# Altium PCB relay_matrix.PcbDoc (part 4 of 5)
Units mm, origin at the board's own origin, x right, y up, seen from the top; angles counter-clockwise.
Board outline 330 x 220 mm, 2 copper layers (Top Layer, Bottom Layer); 560 components, 391 nets, 2127 pads, 727 vias.
Unrouted connection lines stored in the file: 345.
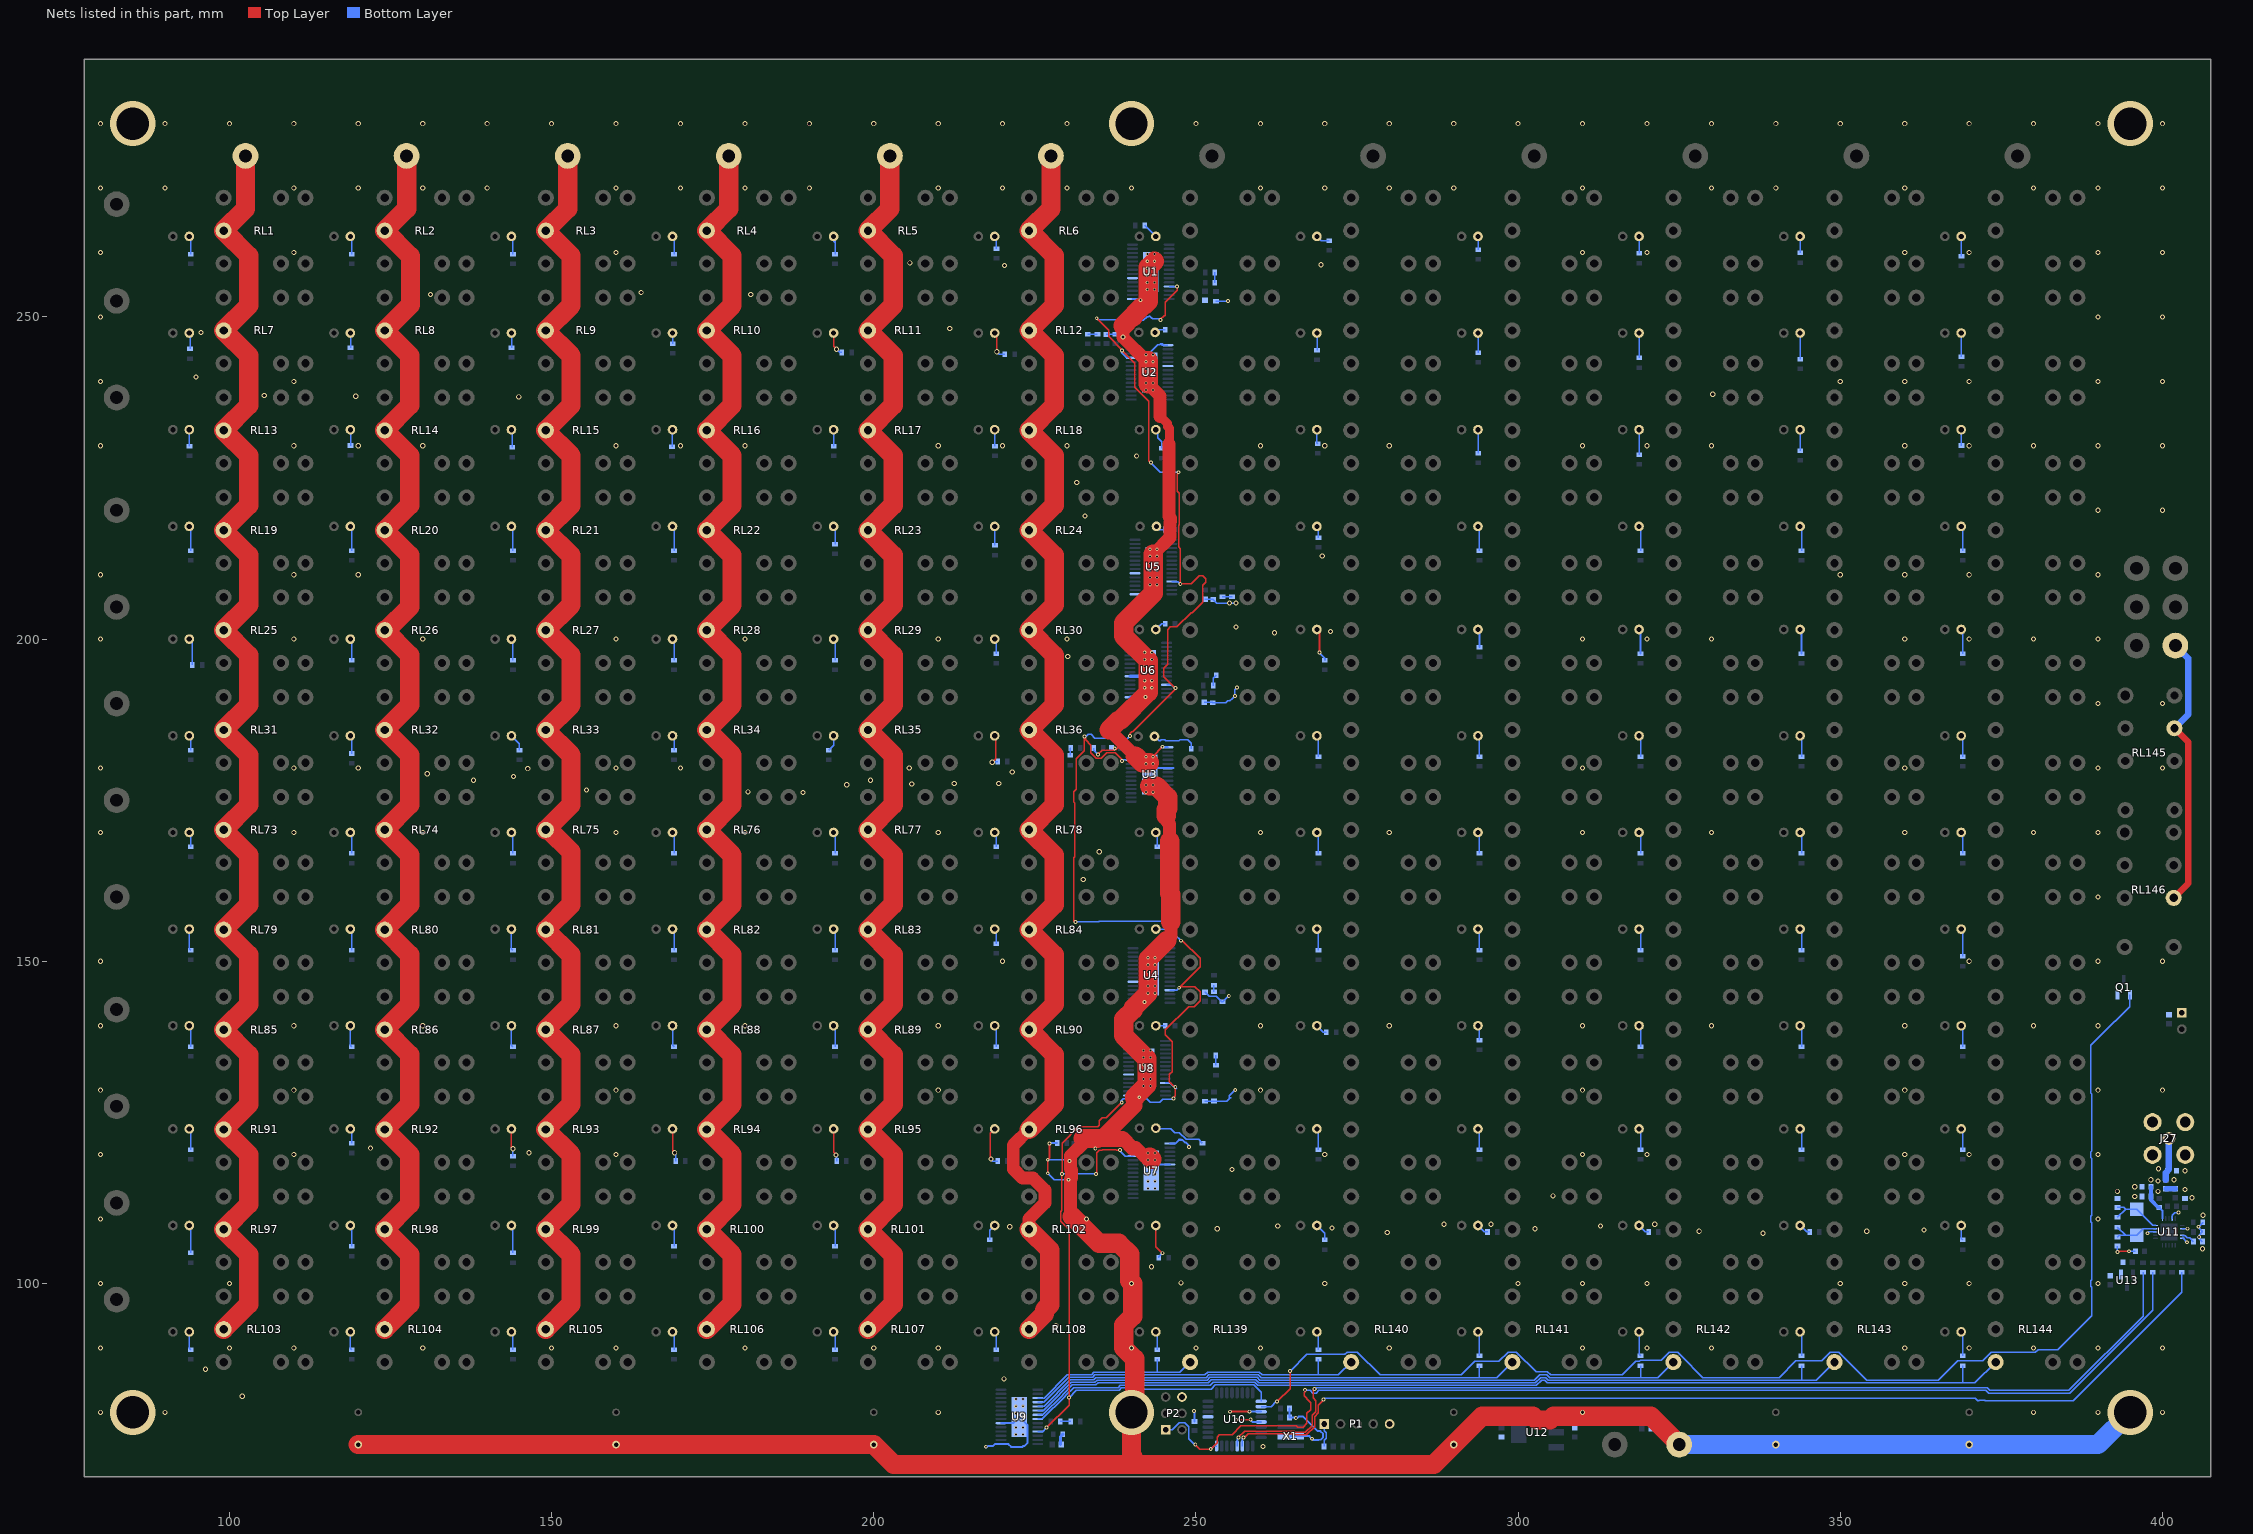
[diagram p4: the nets of this part, all layers, seen from the top]

## Via types
v1: diameter 0.8, hole 0.5, Top Layer to Bottom Layer, tented both sides, 222 vias
v2: diameter 0.8, hole 0.5, Top Layer to Bottom Layer, 209 vias
v3: diameter 0.6, hole 0.3, Top Layer to Bottom Layer, 179 vias
v4: diameter 0.5, hole 0.3, Top Layer to Bottom Layer, 108 vias
v5: diameter 7, hole 5, Top Layer to Bottom Layer, 6 vias
v6: diameter 1.5, hole 1, Top Layer to Bottom Layer, 3 vias

## Nets (pads, with @x,y where several pads share a name; then routed paths per layer and width w, separated by ;. In a path a pad name is that pad's centre, name@x,y a point inside that pad or via, vN(x,y) a via of type N, cw(c..) or ccw(c..) an arc to the next point about the centre after c; other vN are vias at no path point) (continued)
CONTROL_138: R139.1 RL139.3 U9.17 | length 28
  Bottom Layer w0.2: U9.17@225.45,82.225 226.425,82.225 230.05,85.85 233.808,85.85 234.158,86.2 242.366,86.2 243.9,86.2 244,86.3 ; R139.1@244,88.25 244,86.3 ; RL139.3@249.1,87.8 247.5,86.2 244.1,86.2 244,86.3
CONTROL_139: R140.1 RL140.3 U9.18 | length 54.1
  Bottom Layer w0.2: U9.18@225.45,81.575 226.375,81.575 230.25,85.45 233.973,85.45 234.323,85.8 242.531,85.8 251.397,85.8 251.847,86.25 259.817,86.25 260.267,85.8 269,85.8 ; R140.1@269,88.25 269,85.8 ; RL140.3@274.1,87.8 272.1,85.8 269,85.8
CONTROL_140: R141.1 RL141.3 U9.19 | length 78.7
  Bottom Layer w0.2: U9.19@225.45,80.925 226.425,80.925 228.5,83 228.5,83.046 230.504,85.05 234.139,85.05 234.489,85.4 242.697,85.4 251.562,85.4 252.012,85.85 259.651,85.85 260.101,85.4 294,85.4 ; R141.1@294,87.25 294,85.4 ; RL141.3@299.1,87.8 296.7,85.4 294,85.4
CONTROL_141: R142.1 RL142.3 U9.20 | length 104.3
  Bottom Layer w0.2: U9.20@225.45,80.275 226.341,80.275 228.9,82.834 228.9,82.88 230.67,84.65 234.305,84.65 234.655,85 242.863,85 251.728,85 252.178,85.45 259.485,85.45 259.935,85 302.52,85 303.32,85.8 304.48,85.8 304.88,85.4 319,85.4 ; R142.1@319,87.25 319,85.4 ; RL142.3@324.1,87.8 321.7,85.4 319.537,85.4 319,85.4
CONTROL_142: R143.1 RL143.3 U9.21 | length 130
  Bottom Layer w0.2: U9.21@225.45,79.625 226.256,79.625 229.3,82.669 229.3,82.714 230.836,84.25 234.47,84.25 234.82,84.6 243.028,84.6 251.894,84.6 252.344,85.05 259.32,85.05 259.77,84.6 302.686,84.6 303.486,85.4 304.314,85.4 304.714,85 344,85 ; R143.1@344,87.25 344,85 ; RL143.3@349.1,87.8 346.3,85 344.503,85 344,85
CONTROL_143: R144.1 RL144.3 U9.22 | length 155.7
  Bottom Layer w0.2: U9.22@225.45,78.975 226.172,78.975 229.7,82.503 229.7,82.549 231.001,83.85 237.91,83.85 238.26,84.2 243.194,84.2 252.225,84.2 252.675,84.65 259.154,84.65 259.604,84.2 302.851,84.2 303.651,85 304.149,85 304.549,84.6 369,84.6 ; R144.1@369,87.25 369,84.6 ; RL144.3@374.1,87.8 370.9,84.6 369.669,84.6 369,84.6
CSN: R165.2 U10.11 | length 161.7
  Top Layer w0.2: v3(257.4,76.1) 257.551,76.1 258.151,76.7 265.089,76.7 265.304,76.484 267.127,76.484 268.416,77.773 268.416,79.353 269,79.937 269,81.134 269.8,81.934 v3(269.8,82)
  Bottom Layer w0.2: U10.11@257.2,74.775 257.2,75.9 v3(257.4,76.1) ; v3(269.8,82) 270,82.2 370.911,82.2 371.311,81.8 371.485,81.8 371.585,81.9 372.413,81.9 372.513,81.8 386.128,81.8 403,98.672 R165.2@403,101.75
GND: C1.1 C2.1 C3.1 C4.1 C5.2 C6.1 C7.1 C8.1 C10.2 C11.1 C12.2 C13.2 C14.2 C15.2 C16.2 C17.2 C18.2 C19.1 C20.1 C21.2 C23.2 C24.2 C25.2 C26.2 C27.2 C28.2 C29.2 C30.2 C31.2 C32.2 C33.2 C35.2 J26.1 J27.2 J27.3 J27.4 J27.5 P1.5 P2.6 P3.1 Q1.2 R145.1 R146.1 R147.1 R148.1 R149.1 R150.1 R151.1 R152.1 R163.2 U1.1 U1.6 U1.29 U2.1 U2.6 U2.29 U3.1 U3.6 U3.29 U4.1 U4.6 U4.29 U5.1 U5.6 U5.29 U6.1 U6.6 U6.29 U7.1 U7.6 U7.29 U8.1 U8.6 U8.29 U9.1 U9.6 U9.29 U10.3 U10.5 U10.21 U11.8 U11.14 U11.17 U11.20 U12.1 U13.1 X1.2 | length 648.4
  Top Layer w0.2: v3(234.8,182.1) 235.45,182.75 v3@237.4,182.75 ; v3@237.547,182.852 238.58,183.885 ; v3(393,104.9) 393.1,105 v3(394.8,105)
  Top Layer w0.3: v3(227,117.1) v3(227,119.2) 227.3,119.5 v3(227.3,121.7) ; v4(243.35,181.75) 243.35,181.85 v3(244.8,183.3) ; v3(255.3,80.1) 255.3,80.2 255.4,80.1 256.481,80.1 256.531,80.15 258.249,80.15 v3(258.299,80.1) ; v3(256.2,78.8) 256.3,78.8 256.4,78.9 256.481,78.9 256.531,78.85 258.45,78.85 v3(258.499,78.9)
  Top Layer w1.4: 244.451,234.577 245.6,233.428 245.6,233.002 245.9,232.702 245.9,230.902 245.8,230.803 245.8,230.3
  Top Layer w2: 230.8,110.4 230.55,110.65 230.55,116.229 230.7,116.379 230.7,117.621 230.55,117.771 230.55,119.815 232.5,121.765 232.5,122.5 ; 234.689,122.5 234.989,122.2 238.821,122.2 240.121,120.9 240.865,120.9 ; 236.5,185.9 236.565,185.9 238.58,183.885 240.6,181.866 ; 238.495,122.7 238.641,122.7 240.241,121.1 240.665,121.1 240.865,120.9 ; 238.68,248.615 238.68,246.8 242.28,243.2 242.6,243.2 ; v2(238.7,246.9) v2@238.74,246.86 ; 242.033,119.733 240.865,120.9 ; 242.6,239.601 244.451,237.751 244.451,234.577 ; 243.4,213.2 246,215.8 246,218.184 246.067,218.251 246.067,218.767 245.8,219.035 245.8,230.3 ; 245.4,172.6 245.5,172.5 245.5,171.7 245.917,171.283 245.917,168.683 ; 245.467,153.233 246.1,153.865 246.1,156.1
  Top Layer w2.5: 234.889,122.7 234.939,122.75 235.596,122.75 240.486,127.64 240.486,128.814
  Top Layer w3: C10.2@120,75 C12.2@160,75 C13.2@200,75 203.1,71.9 286.9,71.9 C28.2@290,75 294.4,79.4 302.306,79.4 302.906,78.8 304.894,78.8 305.494,79.4 320.6,79.4 J26.1@325,75 ; 230.8,110.4 234.95,106.25 238.022,106.25 239.75,104.522 239.75,100.439 240.2,99.989 240.2,94.935 238.78,93.515 238.78,90.02 240.5,88.3 240.5,80.5 v5(240,80) 240,73.3 240.2,73.1 ; 232.5,122.5 232.589,122.5 234.611,122.5 234.689,122.5 ; 236.5,185.9 237.966,187.366 238.2,187.366 242.6,191.766 242.6,196.665 238.78,200.485 238.78,202.515 243.4,207.135 243.4,213.2 ; 238.68,248.615 240.115,250.05 240.25,250.05 240.4,250.2 240.4,250.37 241.63,251.6 ; 240.486,128.814 240.486,128.914 242.4,130.829 242.4,134.854 238.78,138.474 238.78,141.015 240.26,142.495 240.26,142.76 v4(242.55,145.05) v4(242.55,146.15) v4(242.55,147.25) v4(242.55,148.35) v4(242.55,149.45) 242.55,150.315 245.467,153.233 ; 240.6,181.866 241.665,180.8 242.8,180.8 ; 242.1,251.9 242.6,252.4 ; 242.6,239.601 242.6,243.2 ; 242.6,252.599 242.6,257.7 v4(243.55,258.65) ; 242.8,177.2 243.87,177.2 245.6,175.47 245.6,173.73 245.4,173.53 245.4,172.6 ; 242.832,119.6 243.132,119.3 ; 245.917,168.683 245.917,160.517 246.1,160.335 246.1,156.1
  Bottom Layer w0.2: R149.1@234.15,183.1 234.15,182.75 v3(234.8,182.1) ; v3(234.381,120.919) 234.4,120.9 234.5,121 234.5,122.274 234.676,122.45 235.624,122.45 236.374,121.7 C8.1@236.5,121.7 C8.1@236.626,121.7 ; C2.1@236.1,247.3 238.4,247.3 v2@238.7,247 ; U2.29@242.8,241.4 242.8,244.448 244.052,245.7 244.386,245.7 244.543,245.857 244.791,245.857 245.023,245.625 U2.1@245.65,245.625 ; C4.1@251.3,190.2 252.55,190.2 R148.1@252.6,190.15 254.65,190.15 254.9,190.4 255.25,190.4 255.621,190.771 255.65,190.771 v3(256.05,191.171) 256.05,192.15 v3(256.4,192.5) ; R151.1@251.4,128.25 252.75,128.25 C7.1@252.8,128.3 254.8,128.3 255.2,128.7 ; C6.1@251.4,145.2 251.45,145.2 252.05,144.6 253.174,144.6 254.024,143.75 R150.1@254.1,143.75 254.15,143.75 255,144.6 v3(255.1,144.6) ; C3.1@251.4,206.2 252.65,206.2 R147.1@252.7,206.15 253.25,205.6 v2(255.2,205.6) v2(256.199,205.6) ; R145.1@253.1,252.45 254.95,252.45 v3(255,252.5) ; 255.499,128.8 255.3,128.8 255.2,128.7 ; v3(256.099,130) 255.9,130 255.9,129.8 255.2,129.1 255.2,128.7 ; v3(393,104.9) C30.2@393,105.8 ; v3(394.8,105) C25.2@395.8,105 ; v3(397.7,107.8) 397.9,108 U11.8@398.925,108 ; U11.14@401.5,110.075 401.5,110.6 401.9,111 v3(402.5,111) ; U11.20@403.075,107 403.2,107 v3(403.8,106.4) ; U11.17@403.075,108.5 403.8,108.5 v3(403.899,108.5) ; v3@405.5,108.8 406.2,108.1 C19.1@406.2,108 405.7,107.5 v3(405.7,107.2) 405.5,107.2 C20.1@406.2,106.5 ; v3(405.6,108.8) 406.25,109.45 R163.2@406.25,109.5
  Bottom Layer w0.3: v3(217.39,74.659) 217.359,74.659 217.3,74.6 217.388,74.6 217.479,74.509 217.72,74.75 218.469,74.75 218.794,75.075 U9.1@219.75,75.075 220.899,75.075 221.324,74.65 223.078,74.65 223.178,74.75 223.369,74.75 223.85,75.231 223.85,78.05 v4(223.15,78.75) U9.29@222.6,79.3 221.625,78.325 U9.6@219.75,78.325 ; v3(227,117.1) 228,116.1 v3(230.2,116.1) ; v3(227,119.2) 230.1,119.2 230.4,118.9 v3(230.4,119) ; v3(227.3,121.7) 227.2,121.7 227.3,121.8 R152.1@228.45,121.8 ; U1.1@240.15,252.775 241.125,252.775 241.301,252.599 v3(241.4,252.599) ; U4.1@240.25,143.575 241.875,143.575 v3(242,143.7) ; U7.29@243.1,117.5 244.075,118.475 U7.6@245.95,118.475 ; v4(243.35,179.55) 243.775,179.975 U3.6@245.65,179.975 246.504,179.975 ; 244.7,245.7 244.775,245.625 U2.1@245.023,245.625 ; v3(244.8,183.3) 244.75,183.25 245.625,183.25 U3.1@245.65,183.225 ; U7.1@245.95,121.725 246.806,121.725 246.95,121.869 247.33,122.25 247.356,122.275 ; 247.7,122.35 247.431,122.35 247.356,122.275 ; v3(248.9,121.2) 249,121.3 248.4,121.9 248.272,121.9 247.897,122.275 247.356,122.275 ; v3(249.7,80.2) 249.8,80.1 C18.2@249.8,78.6 ; v3(258.299,80.1) 258.299,80.001 258.2,80.1 U10.3@260.125,80.1 ; v3(258.499,78.9) 258.499,78.801 258.8,78.5 U10.5@260.125,78.5 ; C16.2@264.5,80.6 C17.2@264.5,79.2 265.6,79.2 v3(265.499,79.1) 265.712,79.1 265.946,79.334 266.651,79.334 268.886,77.1 269.319,77.1 269.749,76.669 269.749,76.131 269.369,75.75 269.05,75.75 269,75.7 268.199,75.7 v3(267.999,75.9) 267.6,76.3 X1.2@264.7,76.3
  Bottom Layer w0.4: U8.1@239.55,129.175 239.625,129.1 240.9,129.1 241.1,128.9 v3(241.2,128.9)
  Bottom Layer w0.5: U6.1@239.75,190.975 242.175,190.975 v3(242.2,191) ; U6.6@239.75,194.225 239.775,194.25 241.65,194.25 U6.29@242.6,195.2
  Bottom Layer w3: J26.1@325,75 C14.2@340,75 C15.2@370,75 390,75 v5(395,80)
  other v1: 80,80 90,80 210,80 310,80 380,80 390,80 400,80 80,90 100,90 110,90 130,90 150,90 160,90 180,90 200,90 210,90 240,90 250,90 260,90 280,90 310,90 320,90 330,90 360,90 370,90 380,90 390,90 400,90 80,100 100,100 240,100 270,100 300,100 310,100 320,100 350,100 360,100 370,100 390,100 80,110 390,110 80,120 110,120 160,120 270,120 310,120 320,120 360,120 370,120 390,120 80,130 110,130 160,130 210,130 260,130 310,130 360,130 390,130 400,130 80,140 110,140 130,140 160,140 180,140 210,140 260,140 280,140 310,140 330,140 360,140 380,140 390,140 80,150 220,150 370,150 390,150 400,150 390,160 80,170 110,170 130,170 160,170 180,170 210,170 260,170 280,170 310,170 330,170 360,170 380,170 390,170 80,180 110,180 120,180 160,180 170,180 310,180 360,180 390,180 400,180 390,190 400,190 80,200 110,200 130,200 160,200 180,200 210,200 230,200 310,200 320,200 330,200 360,200 370,200 380,200 390,200 80,210 110,210 120,210 350,210 360,210 370,210 390,210 390,220 400,220 80,230 110,230 120,230 130,230 160,230 170,230 180,230 210,230 220,230 230,230 260,230 270,230 280,230 310,230 320,230 330,230 360,230 370,230 380,230 390,230 400,230 80,240 110,240 350,240 360,240 370,240 390,240 400,240 80,250 390,250 400,250 80,260 110,260 160,260 310,260 320,260 360,260 370,260 390,260 400,260 80,270 90,270 110,270 120,270 130,270 140,270 160,270 170,270 180,270 190,270 210,270 220,270 230,270 240,270 260,270 270,270 280,270 290,270 310,270 330,270 340,270 360,270 380,270 390,270 400,270 80,280 90,280 100,280 110,280 120,280 130,280 140,280 150,280 160,280 170,280 180,280 190,280 200,280 210,280 220,280 230,280 250,280 260,280 270,280 280,280 290,280 300,280 310,280 320,280 330,280 340,280 350,280 360,280 370,280 380,280 390,280 400,280
  other v2: 260.4,74.7 102,82.5 220.2,85.2 96.3,86.7 228.3,93.5 247.7,100.1 243.1,102.6 406.2,105.4 338,107.8 279.7,107.9 328.1,108.1 354.1,108.1 363,108.3 253.3,108.5 302.6,108.5 271.1,108.6 221.1,108.8 262.7,108.9 312.8,108.9 288.5,109.2 295.8,109.2 321.2,109.2 233,110 406.3,110.6 404.6,113.3 395.7,113.5 305.4,113.6 393,114.3 399.3,114.3 403.5,114.6 395.7,115 399.3,115.9 398.2,116.1 401.8,116.1 403.5,117.5 255.6,117.7 399.4,117.8 146.5,120.3 121.9,121 232.5,162.7 235,167 189,176.2 180.5,176.3 155.4,176.6 195.8,177.4 205.9,177.5 212.5,177.6 219.4,177.6 137.9,178.1 199.5,178.1 144.1,178.7 130.7,179.1 221.5,179.4 146.3,179.9 205.5,180 230.1,197.3 262.2,201 270.9,201.2 256.2,201.9 269.6,212.9 232.8,219.1 231.5,224.3 240.8,228.4 144.9,237.6 119.6,237.7 105.4,237.8 330.2,238 94.8,240.7 95.6,247.6 203.7,248.1 211.8,248.2 131.2,253.5 180.9,253.5 163.9,253.8 220.3,258 269.4,258.1 205.6,258.4
  other v3: 237.4,183
  other v4: 222.05,76.55 223.15,76.55 222.05,77.65 223.15,77.65 222.05,78.75 222.05,79.85 223.15,79.85 222.05,80.95 223.15,80.95 222.05,82.05 223.15,82.05 242.55,114.75 243.65,114.75 242.55,115.85 243.65,115.85 242.55,116.95 243.65,116.95 242.55,118.05 243.65,118.05 242.55,119.15 243.65,119.15 242.55,120.25 243.65,120.25 241.85,130.65 242.95,130.65 241.85,131.75 242.95,131.75 241.85,132.85 242.95,132.85 241.85,133.95 242.95,133.95 241.85,135.05 242.95,135.05 241.85,136.15 242.95,136.15 243.65,145.05 243.65,146.15 243.65,147.25 243.65,148.35 243.65,149.45 242.55,150.55 243.65,150.55 242.25,176.25 243.35,176.25 242.25,177.35 243.35,177.35 242.25,178.45 243.35,178.45 242.25,179.55 242.25,180.65 243.35,180.65 242.25,181.75 242.05,192.45 243.15,192.45 242.05,193.55 243.15,193.55 242.05,194.65 243.15,194.65 242.05,195.75 243.15,195.75 242.05,196.85 243.15,196.85 242.05,197.95 243.15,197.95 242.85,208.45 243.95,208.45 242.85,209.55 243.95,209.55 242.85,210.65 243.95,210.65 242.85,211.75 243.95,211.75 242.85,212.85 243.95,212.85 242.85,213.95 243.95,213.95 242.25,238.65 243.35,238.65 242.25,239.75 243.35,239.75 242.25,240.85 243.35,240.85 242.25,241.95 243.35,241.95 242.25,243.05 243.35,243.05 242.25,244.15 243.35,244.15 242.45,254.25 243.55,254.25 242.45,255.35 243.55,255.35 242.45,256.45 243.55,256.45 242.45,257.55 243.55,257.55 242.45,258.65 242.45,259.75 243.55,259.75
  other v5: 85,80 85,280 240,280 395,280
GSCLK: U1.25 U2.25 U3.25 U4.25 U5.25 U6.25 U7.25 U8.25 U9.25 U10.1 | length 328.3
  Top Layer w0.2: v3(226.8,77.624) 226.8,77.6 230.3,81.1 v3(230.3,82.3) 230.3,108.354 229,109.654 229,111.146 229.2,111.346 v3(229.2,117) 229.1,117.1 229.1,117.184 229.25,117.334 229.25,121.796 231.754,124.3 234.048,124.3 234.766,124.3 235,124.534 235,125.252 235.477,125.729 236.1,125.729 v3(238.486,128.114) ; v3(231.3,156.1) 231.2,156.1 231,156.3 231,159.6 231.05,159.65 231.05,166.108 231.171,166.229 231.171,174.571 231.05,174.692 231.05,176.308 231.45,176.708 231.45,181.442 232.7,182.692 v3(232.7,184.9) ; v3@232.9,184.7 232.9,184.351 233.7,183.551 233.7,182.351 234.551,181.5 235.308,181.5 236.158,182.35 237.45,182.35 238.55,181.25 v3(238.55,181.087) ; v3@234.6,117 234.6,120.29 235.01,120.7 235.434,120.7 235.484,120.75 237.608,120.75 237.658,120.7 v3(238.2,120.7) ; v3(234.6,249.8) 236.48,247.92 236.48,246.968 238.5,244.948 v3(238.5,244.8) 240.5,242.799 240.5,239.1 241.8,237.8 241.856,237.8 242.7,236.956 242.7,227.7 v3(243,227.4) ; 239.705,185.305 240,185.6 240.193,185.6 246.8,192.207 v3(246.8,192.4) 245,194.2 245,195.5 245.6,196.1 245.6,201.49 246.01,201.9 247.054,201.9 249.254,204.1 249.458,204.1 251.05,205.692 251.05,208.36 251.499,208.81 251.499,209.39 251.089,209.8 250.51,209.8 249.29,208.58 v3(247.574,208.58) 247.55,208.605 247.55,214.05 247.3,214.3 247.3,217.646 247.377,217.723 247.377,222.674 247.1,222.951 247.1,225.6 247.4,225.9 v3(247.3,225.9) ; v3@244.489,249.638 245.051,250.2 245.19,250.2 245.2,250.21 245.2,252.302 247.076,254.178 v3(247.076,254.723) ; v3(246.5,128.7) 246.5,128.8 246.8,129.1 v3(246.8,130.5) ; v3@246.551,130.604 245.859,131.297 245.859,132.452 246.3,132.894 246.3,137.544 245.257,138.587 245.257,139.349 248.859,142.95 249.742,142.95 250.65,143.858 250.65,145.25 249.85,146.05 247.55,146.05 v3(247.4,145.9) 247.4,145.908 250.65,149.158 250.65,150.442 247.892,153.2 v3(247.7,153.2)
  Bottom Layer w0.2: U9.25@225.45,77.025 226.201,77.025 v3(226.8,77.624) ; v3(229.2,117) v3(234.5,117) ; v3(230.3,82.3) 231.45,83.45 238.076,83.45 238.426,83.8 241.574,83.8 241.774,83.6 252.362,83.6 253.012,84.25 258.988,84.25 260.125,83.113 U10.1@260.125,81.7 ; v3(231.3,156.1) 234.9,156.1 234.981,156.181 ; v3(232.7,184.9) 232.951,184.9 233.251,185.2 233.748,185.2 234.298,184.65 237.756,184.65 237.906,184.5 239.28,184.5 v3(239.74,184.96) ; v3(234.6,249.8) 234.8,249.6 238.737,249.6 238.937,249.4 240.314,249.4 240.364,249.45 241.849,249.45 242.449,250.05 242.64,250.05 242.79,250.2 243,249.99 243.179,249.811 243.224,249.811 243.317,249.719 243.883,249.719 243.901,249.7 244.29,249.7 244.49,249.5 v3(244.5,249.5) ; 234.981,156.2 245.774,156.2 246.75,155.224 246.75,154.15 v3(247.7,153.2) ; v3(238.2,120.7) 238.2,120.6 239.025,119.775 U7.25@240.25,119.775 ; v3@238.4,244.523 239.248,243.675 U2.25@239.95,243.675 ; v3(238.486,128.114) 238.3,128.3 238.7,128.7 239.318,128.7 239.718,128.3 241.449,128.3 241.849,128.7 242.351,128.7 242.901,128.15 244.398,128.15 244.848,128.6 246.4,128.6 v3(246.5,128.7) ; v3@238.625,181.275 U3.25@239.95,181.275 ; v3(243,227.4) 244.5,225.9 v3(247.3,225.9) ; U8.25@245.25,131.125 246.03,131.125 246.2,130.955 246.2,130.9 246.5,130.6 v3@246.6,130.6 ; U6.25@245.45,192.925 246.175,192.925 246.7,192.4 v3(246.8,192.4) ; U1.25@245.85,254.725 247.074,254.725 v3(247.076,254.723) ; U4.25@245.95,145.525 247.025,145.525 v3(247.4,145.9) ; U5.25@246.25,208.925 247.175,208.925 247.52,208.58 v3(247.574,208.58) ; v3@246.75,130.45 v3@246.8,130.4 ; v3@246.8,130.3 v3@246.8,130.4 ; 246.988,130.212 v3@246.8,130.4
"HEADPHONE DST": J28.1 RL145.5 RL146.3 | length 42.7
  Top Layer w1: RL146.3@401.75,159.84 404,162.09 404,184.032 RL145.5@401.863,186.169
  Bottom Layer w1: RL145.5@401.863,186.169 404,188.306 404,197 J28.1@402,199
IRQ: R169.2 U10.12 | length 160.6
  Top Layer w0.2: v3(256.599,76.1) 256.599,76.148 257.551,77.1 265.255,77.1 265.47,76.884 266.961,76.884 268.016,77.939 268.016,79.519 268.6,80.103 268.6,81.828 268.2,82.228 268.2,83.6 v3(268.4,83.6)
  Bottom Layer w0.2: U10.12@256.4,74.775 256.4,75.8 256.7,76.1 v3(256.599,76.1) ; v3(268.4,83.6) 268.56,83.6 268.76,83.8 372.776,83.8 373.176,83.4 385.466,83.4 397,94.934 R169.2@397,101.75
MISO: P2.1 R168.2 U10.16 | length 178.3
  Top Layer w0.2: v3(249.9,75) 250.6,74.3 v3(252.3,74.3) 253.3,75.3 253.3,75.676 253.3,76.173 253.651,76.524 255.61,76.524 256.985,77.9 259.7,77.9 ; 259.7,77.9 265.586,77.9 265.801,77.684 266.63,77.684 267.216,78.27 267.216,79.85 267.8,80.434 267.8,81.497 267.2,82.097 267.2,82.151 266.799,82.551 266.799,83.048 267.076,83.324 v3(266.9,83.5)
  Bottom Layer w0.2: P2.1@245.3,77.3 246.355,77.3 247.405,78.35 248.275,78.35 248.89,77.735 248.89,76.865 248.89,75.91 ; 249.2,75.6 248.89,75.91 ; v3(249.9,75) 249.8,75 248.89,75.91 ; v3(252.3,74.3) 252.775,74.775 U10.16@253.2,74.775 ; v3@266.9,83.4 267.751,83.4 268.151,83 268.649,83 269.049,83.4 372.61,83.4 373.01,83 385.631,83 398.5,95.869 R168.2@398.5,101.75
MODE: Q1.3 U10.2 | length 201.8
  Top Layer w0.2: v3(262.6,81.7) 264.6,83.7 v3(264.6,86.4)
  Bottom Layer w0.2: U10.2@260.125,80.9 261.7,80.9 262.5,81.7 v3(262.6,81.7) ; v3(264.6,86.4) 267.2,89 273.108,89 273.458,89.35 275.05,89.35 278.6,85.8 291.15,85.8 293.25,87.9 297.008,87.9 298.458,89.35 299.742,89.35 302.792,86.3 304.546,86.3 305.046,85.8 316.15,85.8 318.25,87.9 318.8,87.9 319,88.1 322.208,88.1 323.458,89.35 324.742,89.35 325.292,88.8 328.692,85.4 340.5,85.4 343.1,88 347.108,88 348.458,89.35 349.742,89.35 354.092,85 365.2,85 368.2,88 372.108,88 373.458,89.35 379.66,89.35 379.71,89.3 380.29,89.3 380.74,89.75 383.75,89.75 389,95 389,99.444 388.9,99.544 388.9,100.456 389,100.556 389,109.444 388.9,109.544 388.9,110.456 389,110.556 389,119.444 388.9,119.544 388.9,120.456 389,120.556 389,129.444 388.9,129.544 388.9,136.966 392.634,140.7 392.7,140.7 394.95,142.95 Q1.3@394.95,144.825
NetC9_1: C9.1 R153.1 | length 1.7
  Bottom Layer w0.5: C9.1@229,75 229,76.25 R153.1@229.35,76.6
NetC20_2: C20.2 U11.19 | length 2.1
  Bottom Layer w0.2: U11.19@403.075,107.5 403.175,107.4 403.516,107.4 403.816,107.1 404.2,107.1 C20.2@404.8,106.5
NetC22_1: C22.1 L1.1 | length 1.4
  Bottom Layer w0.8: C22.1@400.6,114.7 L1.1@402,114.7
NetC22_2: C22.2 C23.1 J27.1 | length 6.6
  Bottom Layer w1: C22.2@400.5,116.1 400.5,117.2 C23.1@400.8,117.5 401,117.7 J27.1@401,122.5
NetC26_1: C26.1 C27.1 L3.1 U11.11 | length 5.8
  Bottom Layer w0.3: L3.1@399.5,111.8 400,111.3 U11.11@400,110.075
  Bottom Layer w0.6: C26.1@398.2,115 C27.1@398.2,113.5 398.2,112.943 399.343,111.8 L3.1@399.5,111.8
NetC30_1: C30.1 R170.1 U11.9 X2.1 | length 8.3
  Bottom Layer w0.2: C30.1@393,107.2 393.275,107.475 394.275,107.475 ; R170.1@393,108.75 394.275,107.475 ; U11.9@398.925,108.5 397.025,108.5 X2.1@396,107.475 394.275,107.475
NetC31_1: C31.1 R170.2 U11.10 X2.2 | length 8.9
  Bottom Layer w0.2: R170.2@393,110.25 394.275,111.525 ; C31.1@393,111.8 394,111.8 394.275,111.525 ; U11.10@398.925,109 398.525,109 X2.2@396,111.525 394.275,111.525
NetC34_2: C34.2 P1.1 | length 3.7
  Bottom Layer w0.2: C34.2@269.9,74.7 269.9,75.645 270.199,75.944 270.199,76.855 269.9,77.155 P1.1@269.9,78.2
NetD1_2: D1.2 R1.2 | length 2.8
  Bottom Layer w0.2: D1.2@93.77,262.5 94,262.27 R1.2@94,259.75
NetD2_2: D2.2 R2.2 | length 2.8
  Bottom Layer w0.2: D2.2@118.77,262.5 119,262.27 R2.2@119,259.75
NetD3_2: D3.2 R3.2 | length 2.8
  Bottom Layer w0.2: D3.2@143.77,262.5 144,262.27 R3.2@144,259.75
NetD4_2: D4.2 R4.2 | length 2.8
  Bottom Layer w0.2: D4.2@168.77,262.5 169,262.27 R4.2@169,259.75
NetD5_2: D5.2 R5.2 | length 3.9
  Bottom Layer w0.2: R5.2@194,259.75 194,261.5 ; 194,261.5 194,262.27 D5.2@193.77,262.5 193.77,261.73 194,261.5
NetD6_2: D6.2 R6.2 | length 2
  Bottom Layer w0.2: D6.2@218.77,262.5 219.046,262.224 R6.2@219.046,260.6
NetD7_2: D7.2 R7.2 | length 2.5
  Bottom Layer w0.2: D7.2@93.77,247.5 93.9,247.37 R7.2@93.9,245.05
NetD8_2: D8.2 R8.2 | length 2.3
  Bottom Layer w0.2: D8.2@118.77,247.5 118.8,247.47 R8.2@118.8,245.25
NetD9_2: D9.2 R9.2 | length 2.3
  Bottom Layer w0.2: D9.2@143.77,247.5 143.8,247.47 R9.2@143.8,245.25
NetD10_2: D10.2 R10.2 | length 1.7
  Bottom Layer w0.2: D10.2@168.77,247.5 168.8,247.47 R10.2@168.8,245.85
NetD11_2: D11.2 R11.2 | length 3.7
  Top Layer w0.2: D11.2@193.77,247.5 193.77,245.43 v2(194.2,245)
  Bottom Layer w0.2: v2(194.2,245) 194.7,244.5 R11.2@195.05,244.5
NetD12_2: D12.2 R12.2 | length 4.5
  Top Layer w0.2: D12.2@218.77,247.5 219.1,247.17 v2(219.1,244.6)
  Bottom Layer w0.2: v2(219.1,244.6) 219.5,244.2 R12.2@220.35,244.2
NetD13_2: D13.2 R13.2 | length 2.6
  Bottom Layer w0.2: D13.2@93.77,232.5 93.8,232.47 R13.2@93.8,229.95
NetD14_2: D14.2 R14.2 | length 2.5
  Bottom Layer w0.2: D14.2@118.77,232.5 118.8,232.47 R14.2@118.8,230.05
NetD15_2: D15.2 R15.2 | length 2.8
  Bottom Layer w0.2: D15.2@143.77,232.5 143.9,232.37 R15.2@143.9,229.75
NetD16_2: D16.2 R16.2 | length 2.7
  Bottom Layer w0.2: R16.2@168.7,229.85 168.7,232.43 D16.2@168.77,232.5
NetD17_2: D17.2 R17.2 | length 2.6
  Bottom Layer w0.2: D17.2@193.77,232.5 193.8,232.47 R17.2@193.8,229.95
NetD18_2: D18.2 R18.2 | length 2.6
  Bottom Layer w0.2: D18.2@218.77,232.5 218.8,232.47 R18.2@218.8,229.95
NetD19_2: D19.2 R19.2 | length 3.8
  Bottom Layer w0.2: D19.2@93.77,217.5 94,217.27 R19.2@94,213.75
NetD20_2: D20.2 R20.2 | length 3.8
  Bottom Layer w0.2: D20.2@118.77,217.5 119,217.27 R20.2@119,213.75
NetD21_2: D21.2 R21.2 | length 3.8
  Bottom Layer w0.2: D21.2@143.77,217.5 144,217.27 R21.2@144,213.75
NetD22_2: D22.2 R22.2 | length 3.8
  Bottom Layer w0.2: D22.2@168.77,217.5 169,217.27 R22.2@169,213.75
NetD23_2: D23.2 R23.2 | length 2.8
  Bottom Layer w0.2: D23.2@193.77,217.5 194,217.27 R23.2@194,214.75
NetD24_2: D24.2 R24.2 | length 3
  Bottom Layer w0.2: D24.2@218.77,217.5 218.8,217.47 R24.2@218.8,214.55
NetD25_2: D25.2 R25.2 | length 4.2
  Bottom Layer w0.2: D25.2@93.77,200 94.25,199.52 R25.2@94.25,196
NetD26_2: D26.2 R26.2 | length 3.3
  Bottom Layer w0.2: D26.2@118.77,200 119,199.77 R26.2@119,196.75
NetD27_2: D27.2 R27.2 | length 3.3
  Bottom Layer w0.2: D27.2@143.77,200 144,199.77 R27.2@144,196.75
NetD28_2: D28.2 R28.2 | length 3.3
  Bottom Layer w0.2: D28.2@168.77,200 169,199.77 R28.2@169,196.75
NetD29_2: D29.2 R29.2 | length 3.3
  Bottom Layer w0.2: D29.2@193.77,200 194,199.77 R29.2@194,196.75
NetD30_2: D30.2 R30.2 | length 2.3
  Bottom Layer w0.2: D30.2@218.77,200 219,199.77 R30.2@219,197.75
NetD31_2: D31.2 R31.2 | length 2.3
  Bottom Layer w0.2: D31.2@93.77,185 94,184.77 R31.2@94,182.75
NetD32_2: D32.2 R32.2 | length 2.8
  Bottom Layer w0.2: D32.2@118.77,185 119,184.77 R32.2@119,182.25
NetD33_2: D33.2 R33.2 | length 2.8
  Bottom Layer w0.2: D33.2@143.77,185 145,183.77 R33.2@145,182.75
NetD34_2: D34.2 R34.2 | length 2.3
  Bottom Layer w0.2: D34.2@168.77,185 169,184.77 R34.2@169,182.75
NetD35_2: D35.2 R35.2 | length 2.6
  Bottom Layer w0.2: R35.2@193,182.75 193.77,183.52 D35.2@193.77,185
NetD36_2: D36.2 R36.2 | length 5.5
  Top Layer w0.2: v2(218.4,180.9) 218.9,181.4 218.9,184.87 D36.2@218.77,185
  Bottom Layer w0.2: v2(218.4,180.9) 218.3,180.9 218.4,181 R36.2@219.25,181
NetD37_2: D37.2 R37.2 | length 2.4
  Bottom Layer w0.2: R37.2@242.05,264.2 242.07,264.2 D37.2@243.77,262.5
NetD38_2: D38.2 R38.2 | length 2.2
  Bottom Layer w0.2: D38.2@268.77,262.5 269.42,261.85 R38.2@270.7,261.85
NetD39_2: D39.2 R39.2 | length 2.1
  Bottom Layer w0.2: D39.2@293.77,262.5 293.8,262.47 R39.2@293.8,260.45
NetD40_2: D40.2 R40.2 | length 2.7
  Bottom Layer w0.2: D40.2@318.77,262.5 318.8,262.47 R40.2@318.8,259.85
NetD41_2: D41.2 R41.2 | length 2.6
  Bottom Layer w0.2: D41.2@343.77,262.5 343.8,262.47 R41.2@343.8,259.95
NetD42_2: D42.2 R42.2 | length 3.1
  Bottom Layer w0.2: D42.2@368.77,262.5 368.8,262.47 R42.2@368.8,259.45
NetD43_2: D43.2 R43.2 | length 1.7
  Bottom Layer w0.2: D43.2@243.67,247.6 244.07,248 R43.2@245.25,248
NetD44_2: D44.2 R44.2 | length 2.7
  Bottom Layer w0.2: D44.2@268.77,247.5 268.8,247.47 R44.2@268.8,244.85
NetD45_2: D45.2 R45.2 | length 3.1
  Bottom Layer w0.2: D45.2@293.77,247.5 293.8,247.47 R45.2@293.8,244.45
NetD46_2: D46.2 R46.2 | length 3.9
  Bottom Layer w0.2: D46.2@318.77,247.5 318.8,247.47 R46.2@318.8,243.65
NetD47_2: D47.2 R47.2 | length 4.1
  Bottom Layer w0.2: D47.2@343.77,247.5 343.8,247.47 R47.2@343.8,243.45
NetD48_2: D48.2 R48.2 | length 3.7
  Bottom Layer w0.2: D48.2@368.77,247.5 368.8,247.47 R48.2@368.8,243.85
NetD49_2: D49.2 R49.2 | length 3.3
  Bottom Layer w0.2: D49.2@243.77,232.5 244.1,232.171 244.1,231.251 244.7,230.651 R49.2@244.7,229.6
NetD50_2: D50.2 R50.2 | length 2.2
  Bottom Layer w0.2: D50.2@268.77,232.5 268.77,230.48 R50.2@268.9,230.35
NetD51_2: D51.2 R51.2 | length 3.7
  Bottom Layer w0.2: D51.2@293.77,232.5 293.8,232.47 R51.2@293.8,228.85
NetD52_2: D52.2 R52.2 | length 3.9
  Bottom Layer w0.2: D52.2@318.77,232.5 318.8,232.47 R52.2@318.8,228.65
NetD53_2: D53.2 R53.2 | length 3.3
  Bottom Layer w0.2: D53.2@343.77,232.5 343.8,232.47 R53.2@343.8,229.25
NetD54_2: D54.2 R54.2 | length 2.5
  Bottom Layer w0.2: D54.2@368.77,232.5 368.8,232.47 R54.2@368.8,230.05
NetD55_2: D55.2 R55.2 | length 1.6
  Bottom Layer w0.2: D55.2@243.87,217.5 244.37,217 R55.2@245.25,217
NetD56_2: D56.2 R56.2 | length 1.8
  Bottom Layer w0.2: D56.2@268.77,217.5 269,217.27 R56.2@269,215.75
NetD57_2: D57.2 R57.2 | length 3.8
  Bottom Layer w0.2: D57.2@293.77,217.5 294,217.27 R57.2@294,213.75
NetD58_2: D58.2 R58.2 | length 3.8
  Bottom Layer w0.2: D58.2@318.77,217.5 319,217.27 R58.2@319,213.75
NetD59_2: D59.2 R59.2 | length 3.8
  Bottom Layer w0.2: D59.2@343.77,217.5 344,217.27 R59.2@344,213.75
NetD60_2: D60.2 R60.2 | length 3.8
  Bottom Layer w0.2: D60.2@368.77,217.5 369,217.27 R60.2@369,213.75
NetD61_2: D61.2 R61.2 | length 1.9
  Bottom Layer w0.2: D61.2@243.77,201.5 244.67,202.4 R61.2@245.25,202.4
NetD62_2: D62.2 R62.2 | length 5.3
  Top Layer w0.3: D62.2@268.77,201.5 269.2,201.07 v3(269.2,197.9)
  Bottom Layer w0.3: v3(269.2,197.9) 269.2,197.8 270,197 R62.2@270,196.75
NetD63_2: D63.2 R63.2 | length 2.8
  Bottom Layer w0.3: D63.2@293.77,201.5 294,201.27 R63.2@294,198.75
NetD64_2: D64.2 R64.2 | length 3.8
  Bottom Layer w0.3: D64.2@318.77,201.5 319,201.27 R64.2@319,197.75
NetD65_2: D65.2 R65.2 | length 3.8
  Bottom Layer w0.3: D65.2@343.77,201.5 344,201.27 R65.2@344,197.75
NetD66_2: D66.2 R66.2 | length 3.8
  Bottom Layer w0.2: D66.2@368.77,201.5 369,201.27 R66.2@369,197.75
NetD67_2: D67.2 R67.2 | length 7.3
  Bottom Layer w0.2: D67.2@243.57,184.9 244.27,184.2 244.451,184.2 244.651,184.4 245.149,184.4 245.349,184.2 246.551,184.2 246.71,184.2 247.351,184.2 247.551,184.4 248.408,184.4 248.458,184.35 248.741,184.35 249.25,183.841 R67.2@249.25,183
NetD68_2: D68.2 R68.2 | length 3.3
  Bottom Layer w0.2: D68.2@268.77,185 269,184.77 R68.2@269,181.75
NetD69_2: D69.2 R69.2 | length 3.3
  Bottom Layer w0.2: D69.2@293.77,185 294,184.77 R69.2@294,181.75
NetD70_2: D70.2 R70.2 | length 3.3
  Bottom Layer w0.2: D70.2@318.77,185 319,184.77 R70.2@319,181.75
NetD71_2: D71.2 R71.2 | length 3.3
  Bottom Layer w0.2: D71.2@343.77,185 344,184.77 R71.2@344,181.75
NetD72_2: D72.2 R72.2 | length 3.3
  Bottom Layer w0.2: D72.2@368.77,185 369,184.77 R72.2@369,181.75
NetD73_2: D73.2 R73.2 | length 2.3
  Bottom Layer w0.2: D73.2@93.77,170 94,169.77 R73.2@94,167.75
NetD74_2: D74.2 R74.2 | length 3.3
  Bottom Layer w0.2: D74.2@118.77,170 119,169.77 R74.2@119,166.75
NetD75_2: D75.2 R75.2 | length 3.3
  Bottom Layer w0.2: D75.2@143.77,170 144,169.77 R75.2@144,166.75
NetD76_2: D76.2 R76.2 | length 3.3
  Bottom Layer w0.2: D76.2@168.77,170 169,169.77 R76.2@169,166.75
NetD77_2: D77.2 R77.2 | length 3.3
  Bottom Layer w0.2: D77.2@193.77,170 194,169.77 R77.2@194,166.75
NetD78_2: D78.2 R78.2 | length 2.3
  Bottom Layer w0.2: D78.2@218.77,170 219,169.77 R78.2@219,167.75
NetD79_2: D79.2 R79.2 | length 3.3
  Bottom Layer w0.2: D79.2@93.77,155 93.77,151.98 R79.2@94,151.75
NetD80_2: D80.2 R80.2 | length 3.3
  Bottom Layer w0.2: D80.2@118.77,155 119,154.77 R80.2@119,151.75
NetD81_2: D81.2 R81.2 | length 3.3
  Bottom Layer w0.2: D81.2@143.77,155 143.77,151.98 R81.2@144,151.75
NetD82_2: D82.2 R82.2 | length 3.3
  Bottom Layer w0.2: D82.2@168.77,155 169,154.77 R82.2@169,151.75
NetD83_2: D83.2 R83.2 | length 3.3
  Bottom Layer w0.2: D83.2@193.77,155 194,154.77 R83.2@194,151.75
NetD84_2: D84.2 R84.2 | length 2.3
  Bottom Layer w0.2: D84.2@218.77,155 219,154.77 R84.2@219,152.75
NetD85_2: D85.2 R85.2 | length 3.3
  Bottom Layer w0.2: D85.2@93.77,140 94,139.77 R85.2@94,136.75
NetD86_2: D86.2 R86.2 | length 3.3
  Bottom Layer w0.2: D86.2@118.77,140 118.77,136.98 R86.2@119,136.75
NetD87_2: D87.2 R87.2 | length 3.3
  Bottom Layer w0.2: D87.2@143.77,140 143.77,136.98 R87.2@144,136.75
NetD88_2: D88.2 R88.2 | length 3.3
  Bottom Layer w0.2: D88.2@168.77,140 168.77,136.98 R88.2@169,136.75
NetD89_2: D89.2 R89.2 | length 3.3
  Bottom Layer w0.2: D89.2@193.77,140 194,139.77 R89.2@194,136.75
NetD90_2: D90.2 R90.2 | length 3.3
  Bottom Layer w0.2: D90.2@218.77,140 219,139.77 R90.2@219,136.75
NetD91_2: D91.2 R91.2 | length 3.3
  Bottom Layer w0.2: D91.2@93.77,124 94,123.77 R91.2@94,120.75
NetD92_2: D92.2 R92.2 | length 2.3
  Bottom Layer w0.2: D92.2@118.77,124 119,123.77 R92.2@119,121.75
NetD93_2: D93.2 R93.2 | length 4.3
  Top Layer w0.2: D93.2@143.77,124 143.77,121.13 v2(144,120.9)
  Bottom Layer w0.2: R93.2@144,119.75 v2(144,120.9)
NetD94_2: D94.2 R94.2 | length 5.2
  Top Layer w0.2: D94.2@168.77,124 168.77,120.63 v2(169.1,120.3)
  Bottom Layer w0.2: v2(169.1,120.3) 169.25,120.15 R94.2@169.25,119
NetD95_2: D95.2 R95.2 | length 5.3
  Top Layer w0.2: D95.2@193.77,124 193.77,120.33 v2(194.15,119.95)
  Bottom Layer w0.2: v2(194.15,119.95) 194.25,119.95 R95.2@194.25,119
NetD96_2: D96.2 R96.2 | length 6.2
  Top Layer w0.2: v2(218.2,119.3) 218.1,119.399 218.1,123.33 D96.2@218.77,124
  Bottom Layer w0.2: v2@218.2,119.3 218.5,119 R96.2@219.25,119
NetD97_2: D97.2 R97.2 | length 4.3
  Bottom Layer w0.2: D97.2@93.77,109 94,108.77 R97.2@94,104.75
NetD98_2: D98.2 R98.2 | length 3.3
  Bottom Layer w0.2: D98.2@118.77,109 119,108.77 R98.2@119,105.75
NetD99_2: D99.2 R99.2 | length 4.3
  Bottom Layer w0.2: D99.2@143.77,109 144,108.77 R99.2@144,104.75
NetD100_2: D100.2 R100.2 | length 3.3
  Bottom Layer w0.2: D100.2@168.77,109 169,108.77 R100.2@169,105.75
NetD101_2: D101.2 R101.2 | length 3.3
  Bottom Layer w0.2: D101.2@193.77,109 194,108.77 R101.2@194,105.75
NetD102_2: D102.2 R102.2 | length 2.6
  Bottom Layer w0.2: R102.2@218,106.75 218,108.23 D102.2@218.77,109
NetD103_2: D103.2 R103.2 | length 2.8
  Bottom Layer w0.2: D103.2@93.77,92.5 93.77,89.98 R103.2@94,89.75
NetD104_2: D104.2 R104.2 | length 2.8
  Bottom Layer w0.2: D104.2@118.77,92.5 118.77,89.98 R104.2@119,89.75
NetD105_2: D105.2 R105.2 | length 2.8
  Bottom Layer w0.2: D105.2@143.77,92.5 144,92.27 R105.2@144,89.75
NetD106_2: D106.2 R106.2 | length 2.8
  Bottom Layer w0.2: D106.2@168.77,92.5 169,92.27 R106.2@169,89.75
NetD107_2: D107.2 R107.2 | length 2.8
  Bottom Layer w0.2: D107.2@193.77,92.5 194,92.27 R107.2@194,89.75
NetD108_2: D108.2 R108.2 | length 2.8
  Bottom Layer w0.2: D108.2@218.77,92.5 219,92.27 R108.2@219,89.75
NetD109_2: D109.2 R109.2 | length 2.3
  Bottom Layer w0.2: D109.2@243.77,170 244,169.77 R109.2@244,167.75
NetD110_2: D110.2 R110.2 | length 3.3
  Bottom Layer w0.2: D110.2@268.77,170 269,169.77 R110.2@269,166.75
NetD111_2: D111.2 R111.2 | length 3.3
  Bottom Layer w0.2: D111.2@293.77,170 294,169.77 R111.2@294,166.75
NetD112_2: D112.2 R112.2 | length 3.3
  Bottom Layer w0.2: D112.2@318.77,170 319,169.77 R112.2@319,166.75
NetD113_2: D113.2 R113.2 | length 3.3
  Bottom Layer w0.2: D113.2@343.77,170 344,169.77 R113.2@344,166.75
NetD114_2: D114.2 R114.2 | length 3.3
  Bottom Layer w0.2: D114.2@368.77,170 369,169.77 R114.2@369,166.75
NetD115_2: D115.2 R115.2 | length 2.3
  Bottom Layer w0.2: D115.2@243.77,155 245.75,155 R115.2@246,154.75
NetD116_2: D116.2 R116.2 | length 3.3
  Bottom Layer w0.2: D116.2@268.77,155 269,154.77 R116.2@269,151.75
NetD117_2: D117.2 R117.2 | length 3.3
  Bottom Layer w0.2: D117.2@293.77,155 294,154.77 R117.2@294,151.75
NetD118_2: D118.2 R118.2 | length 3.3
  Bottom Layer w0.2: D118.2@318.77,155 319,154.77 R118.2@319,151.75
NetD119_2: D119.2 R119.2 | length 3.3
  Bottom Layer w0.2: D119.2@343.77,155 344,154.77 R119.2@344,151.75
NetD120_2: D120.2 R120.2 | length 4.3
  Bottom Layer w0.2: D120.2@368.77,155 369,154.77 R120.2@369,150.75
NetD121_2: D121.2 R121.2 | length 1.5
  Bottom Layer w0.2: D121.2@243.77,140 R121.2@245.25,140
NetD122_2: D122.2 R122.2 | length 1.9
  Bottom Layer w0.2: D122.2@268.77,140 269.77,139 R122.2@270.25,139
NetD123_2: D123.2 R123.2 | length 2.3
  Bottom Layer w0.2: D123.2@293.77,140 294,139.77 R123.2@294,137.75
NetD124_2: D124.2 R124.2 | length 3.3
  Bottom Layer w0.2: D124.2@318.77,140 319,139.77 R124.2@319,136.75
NetD125_2: D125.2 R125.2 | length 3.3
  Bottom Layer w0.2: D125.2@343.77,140 344,139.77 R125.2@344,136.75
NetD126_2: D126.2 R126.2 | length 3.3
  Bottom Layer w0.2: D126.2@368.77,140 369,139.77 R126.2@369,136.75
NetD127_2: D127.2 R127.2 | length 8.2
  Bottom Layer w0.2: D127.2@243.77,124 246.109,124 246.71,123.4 247.408,123.4 248.458,122.35 250.4,122.35 R127.2@251,121.75
NetD128_2: D128.2 R128.2 | length 3.3
  Bottom Layer w0.2: D128.2@268.77,124 269,123.77 R128.2@269,120.75
NetD129_2: D129.2 R129.2 | length 3.3
  Bottom Layer w0.2: D129.2@293.77,124 294,123.77 R129.2@294,120.75
NetD130_2: D130.2 R130.2 | length 3.3
  Bottom Layer w0.2: D130.2@318.77,124 319,123.77 R130.2@319,120.75
NetD131_2: D131.2 R131.2 | length 3.3
  Bottom Layer w0.2: D131.2@343.77,124 344,123.77 R131.2@344,120.75
NetD132_2: D132.2 R132.2 | length 3.3
  Bottom Layer w0.2: D132.2@368.77,124 369,123.77 R132.2@369,120.75
NetD133_2: D133.2 R133.2 | length 5.7
  Top Layer w0.2: D133.2@243.77,109 243.77,105.73 v3(244.8,104.7)
  Bottom Layer w0.2: R133.2@244.25,104 244.25,104.15 v3(244.8,104.7)
NetD134_2: D134.2 R134.2 | length 2.8
  Bottom Layer w0.2: D134.2@268.77,109 270,107.77 R134.2@270,106.75
NetD135_2: D135.2 R135.2 | length 1.9
  Bottom Layer w0.2: D135.2@293.77,109 294.77,108 R135.2@295.25,108
NetD136_2: D136.2 R136.2 | length 1.9
  Bottom Layer w0.2: D136.2@318.77,109 319.77,108 R136.2@320.25,108
NetD137_2: D137.2 R137.2 | length 1.9
  Bottom Layer w0.2: D137.2@343.77,109 344.77,108 R137.2@345.25,108
NetD138_2: D138.2 R138.2 | length 2.3
  Bottom Layer w0.2: D138.2@368.77,109 368.77,106.98 R138.2@369,106.75
NetD139_2: D139.2 R139.2 | length 2.8
  Bottom Layer w0.2: D139.2@243.77,92.5 244,92.27 R139.2@244,89.75
NetD140_2: D140.2 R140.2 | length 2.8
  Bottom Layer w0.2: D140.2@268.77,92.5 269,92.27 R140.2@269,89.75
NetD141_2: D141.2 R141.2 | length 3.8
  Bottom Layer w0.2: D141.2@293.77,92.5 294,92.27 R141.2@294,88.75
NetD142_2: D142.2 R142.2 | length 3.8
  Bottom Layer w0.2: D142.2@318.77,92.5 318.77,88.98 R142.2@319,88.75
NetD143_2: D143.2 R143.2 | length 3.8
  Bottom Layer w0.2: D143.2@343.77,92.5 344,92.27 R143.2@344,88.75
NetD144_2: D144.2 R144.2 | length 3.8
  Bottom Layer w0.2: D144.2@368.77,92.5 369,92.27 R144.2@369,88.75
NetD145_1: D145.1 R154.2 | length 1.6
  Bottom Layer w0.2: R154.2@252.95,255.3 D145.1@252.95,256.9
NetD146_1: D146.1 R155.2 | length 1.5
  Bottom Layer w0.2: D146.1@233.2,247.35 R155.2@234.7,247.35
NetD147_1: D147.1 R156.2 | length 1.5
  Bottom Layer w0.2: D147.1@254.1,206.55 R156.2@255.6,206.55
NetD148_1: D148.1 R157.2 | length 1.8
  Bottom Layer w0.2: R157.2@252.65,192.8 252.65,193.9 D148.1@253.15,194.4
NetD149_1: D149.1 R158.2 | length 1.2
  Bottom Layer w0.2: D149.1@230.5,181.95 230.5,183.05 R158.2@230.55,183.1
NetD150_1: D150.1 R159.2 | length 1.1
  Bottom Layer w0.2: R159.2@252.8,145.25 D150.1@252.8,146.3
NetD151_1: D151.1 R161.2 | length 1.1
  Bottom Layer w0.2: R161.2@232.55,121.7 D151.1@233.65,121.7
NetD152_1: D152.1 R162.2 | length 1.6
  Bottom Layer w0.2: D152.1@228.95,78.6 R162.2@230.55,78.6
NetD154_1: D154.1 R160.2 | length 1.6
  Bottom Layer w0.2: D154.1@253.05,135.4 253.05,133.9 R160.2@253.1,133.85
NetJ1_1: J1.1 RL1.2 RL7.2 RL13.2 RL19.2 RL25.2 RL31.2 RL73.2 RL79.2 RL85.2 RL91.2 RL97.2 RL103.2 | length 219
  Top Layer w3: RL103.2@99.1,92.9 103,96.8 103,104.5 RL97.2@99.1,108.4 103,112.3 103,120 RL91.2@99.1,123.9 103,127.8 103,135.5 RL85.2@99.1,139.4 103,143.3 103,151 RL79.2@99.1,154.9 103,158.8 103,166.5 RL73.2@99.1,170.4 103,174.3 103,182 RL31.2@99.1,185.9 103,189.8 103,197.5 RL25.2@99.1,201.4 103,205.3 103,213 RL19.2@99.1,216.9 103,220.8 103,228.5 RL13.2@99.1,232.4 103,236.3 103,244 RL7.2@99.1,247.9 103,251.8 103,259.5 RL1.2@99.1,263.4 102.5,266.8 J1.1@102.5,275
NetJ2_1: J2.1 RL2.2 RL8.2 RL14.2 RL20.2 RL26.2 RL32.2 RL74.2 RL80.2 RL86.2 RL92.2 RL98.2 RL104.2 | length 219.3
  Top Layer w3: RL104.2@124.1,92.9 128,96.8 128,104.5 RL98.2@124.1,108.4 128,112.3 128,120 RL92.2@124.1,123.9 128,127.8 128,135.5 RL86.2@124.1,139.4 128,143.3 128,151 RL80.2@124.1,154.9 128,158.8 128,166.5 RL74.2@124.1,170.4 128,174.3 128,182 RL32.2@124.1,185.9 128,189.8 128,197.5 RL26.2@124.1,201.4 124.4,201.4 128,205 128,213 RL20.2@124.1,216.9 128,220.8 128,228.5 RL14.2@124.1,232.4 128,236.3 128,244 RL8.2@124.1,247.9 128.1,251.9 128.1,259.4 128,259.5 RL2.2@124.1,263.4 127.5,266.8 J2.1@127.5,275
NetJ3_1: J3.1 RL3.2 RL9.2 RL15.2 RL21.2 RL27.2 RL33.2 RL75.2 RL81.2 RL87.2 RL93.2 RL99.2 RL105.2 | length 219.3
  Top Layer w3: RL105.2@149.1,92.9 153,96.8 153,104.5 RL99.2@149.1,108.4 153,112.3 153,120 RL93.2@149.1,123.9 153,127.8 153,135.5 RL87.2@149.1,139.4 153,143.3 153,151 RL81.2@149.1,154.9 153,158.8 153,167 149.6,170.4 RL75.2@149.1,170.4 153,174.3 153,182 RL33.2@149.1,185.9 153,189.8 153,197.5 RL27.2@149.1,201.4 153,205.3 153,213 RL21.2@149.1,216.9 153,220.8 153,228.5 RL15.2@149.1,232.4 153,236.3 153,244 RL9.2@149.1,247.9 153,251.8 153,259.5 RL3.2@149.1,263.4 152.5,266.8 J3.1@152.5,275
NetJ4_1: J4.1 RL4.2 RL10.2 RL16.2 RL22.2 RL28.2 RL34.2 RL76.2 RL82.2 RL88.2 RL94.2 RL100.2 RL106.2 | length 296.2
  Top Layer w3: J4.1@177.5,275 177.5,266.8 RL4.2@174.1,263.4 178,259.5 178,251.8 RL10.2@174.1,247.9 178,244 178,236.3 RL16.2@174.1,232.4 178,228.5 178,220.8 RL22.2@174.1,216.9 178,213 178,205.3 RL28.2@174.1,201.4 178,197.5 ; RL94.2@174.1,123.9 178,127.8 ; RL94.2@174.1,123.9 178,120 ; RL94.2@174.1,123.9 178,127.8 ; RL88.2@174.1,139.4 178,143.3 ; RL88.2@174.1,139.4 178,135.5 ; RL88.2@174.1,139.4 178,143.3 ; RL82.2@174.1,154.9 178,158.8 ; RL82.2@174.1,154.9 178,151 ; RL82.2@174.1,154.9 178,151 ; RL82.2@174.1,154.9 178,158.8 ; RL76.2@174.1,170.4 178,174.3 ; RL76.2@174.1,170.4 178,166.5 ; RL76.2@174.1,170.4 178,166.5 ; RL76.2@174.1,170.4 178,174.3 ; 178,96.8 RL106.2@174.1,92.9 178,96.8 ; 178,96.8 178,104.5 RL100.2@174.1,108.4 178,112.3 ; 178,112.3 178,120 ; 178,112.3 178,120 ; 178,127.8 178,135.5 ; 178,127.8 178,135.5 ; 178,143.3 178,151 ; 178,143.3 178,151 ; 178,158.8 178,166.5 ; 178,174.3 178,182 ; 178,174.3 178,182 ; 178,182 RL34.2@174.1,185.9 178,189.8 ; 178,189.8 178,197.5 ; 178,189.8 178,197.5
NetJ5_1: J5.1 RL5.2 RL11.2 RL17.2 RL23.2 RL29.2 RL35.2 RL77.2 RL83.2 RL89.2 RL95.2 RL101.2 RL107.2 | length 219
  Top Layer w3: RL107.2@199.1,92.9 203,96.8 203,104.5 RL101.2@199.1,108.4 203,112.3 203,120 RL95.2@199.1,123.9 203,127.8 203,135.5 RL89.2@199.1,139.4 203,143.3 203,151 RL83.2@199.1,154.9 203,158.8 203,166.5 RL77.2@199.1,170.4 203,174.3 203,182 RL35.2@199.1,185.9 203,189.8 203,197.5 RL29.2@199.1,201.4 203,205.3 203,213 RL23.2@199.1,216.9 203,220.8 203,228.5 RL17.2@199.1,232.4 203,236.3 203,244 RL11.2@199.1,247.9 203,251.8 203,259.5 RL5.2@199.1,263.4 202.5,266.8 J5.1@202.5,275
NetJ6_1: J6.1 RL6.2 RL12.2 RL18.2 RL24.2 RL30.2 RL36.2 RL78.2 RL84.2 RL90.2 RL96.2 RL102.2 RL108.2 | length 220.5
  Top Layer w2: RL102.2@224.1,108.4 224.1,110.035 226.55,112.485 226.55,114.515 224.715,116.35 223.085,116.35 221.65,117.785 221.65,119.815 221.65,121.45 RL96.2@224.1,123.9 RL96.2@224.1,123.7
  Top Layer w3: RL108.2@224.1,92.9 226.5,95.3 226.5,95.875 227.3,96.675 227.3,105.2 RL102.2@224.1,108.4 ; RL96.2@224.1,123.9 228,127.8 228,135.5 RL90.2@224.1,139.4 228,143.3 228,151 RL84.2@224.1,154.9 228,158.8 228,166.5 RL78.2@224.1,170.4 228,174.3 228,182 RL36.2@224.1,185.9 228,189.8 228,197.5 RL30.2@224.1,201.4 228,205.3 228,213 RL24.2@224.1,216.9 228,220.8 228,228.5 RL18.2@224.1,232.4 228,236.3 228,244 RL12.2@224.1,247.9 228,251.8 228,259.5 RL6.2@224.1,263.4 227.5,266.8 J6.1@227.5,275